# KiCad board fretboard_0.2.kicad_pcb
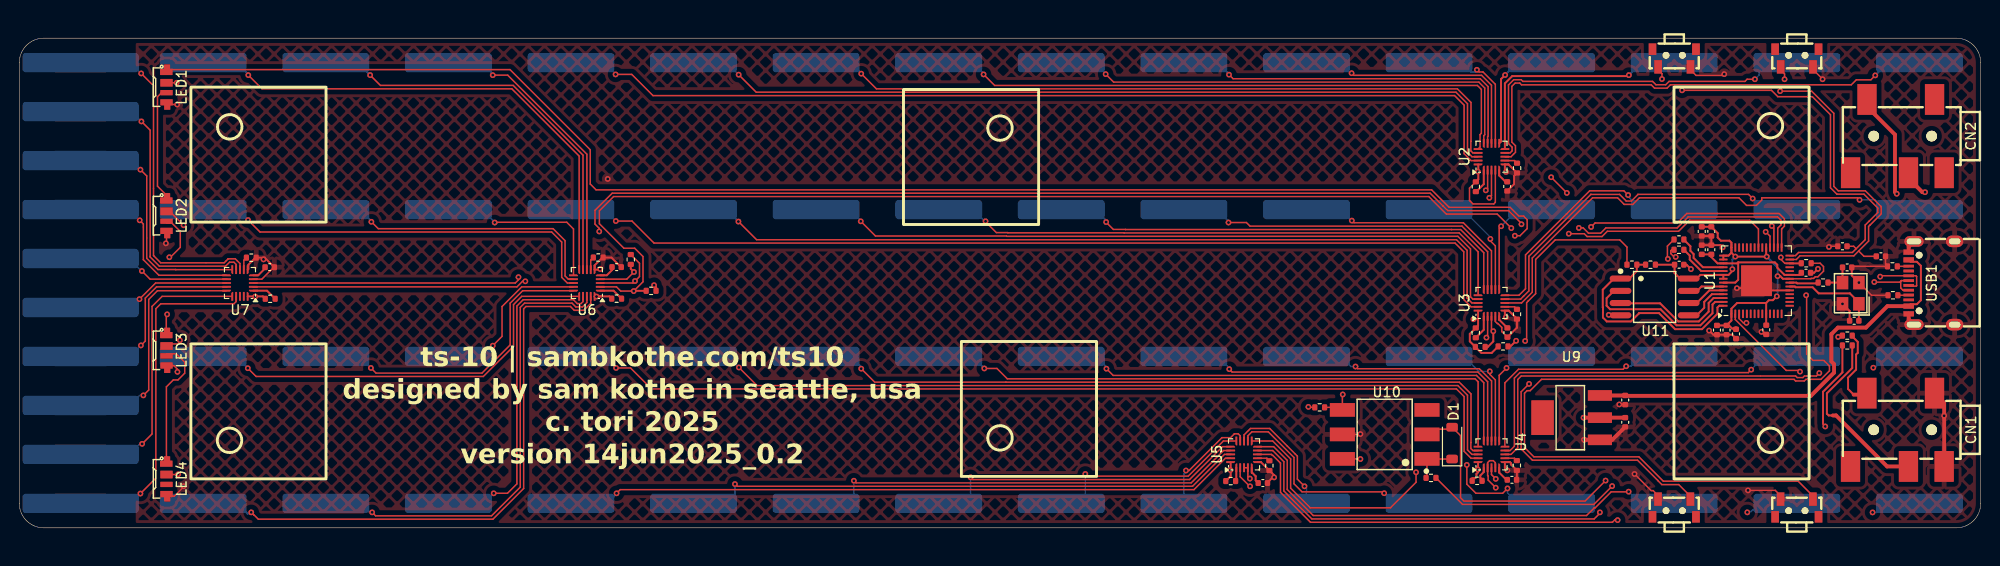
[diagram p0: board, top side]
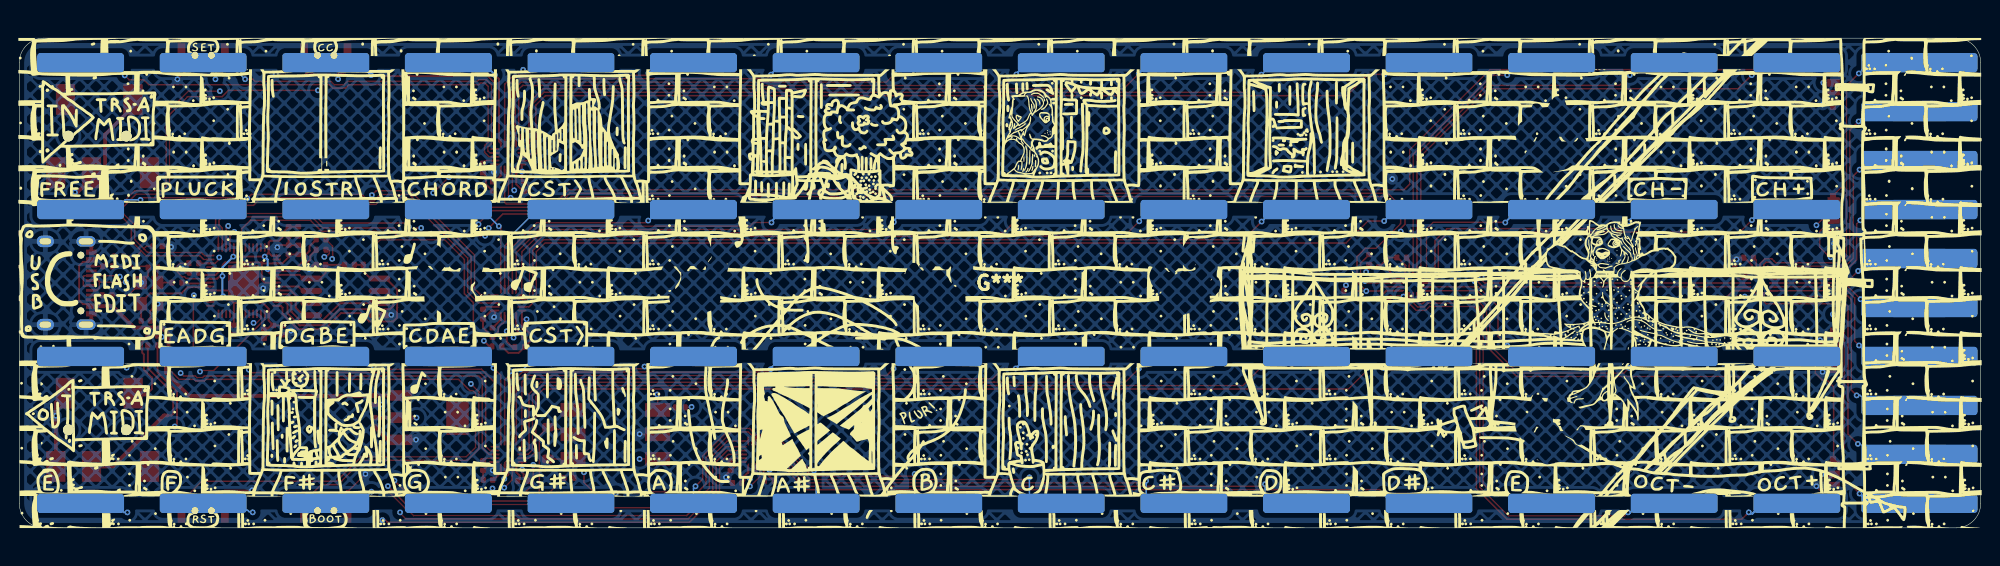
[diagram p1: board, bottom side, seen from below]

Outline 203.2 x 50.8 mm; copper layers: Top, In1.Cu (plane), In2.Cu, Bottom. Coordinates in mm from the lower left corner of the outline.
Outline path: 0,48.26 arc(0.74,50.06) 2.54,50.8 200.66,50.8 arc(202.46,50.06) 203.2,48.26 203.2,2.54 arc(202.46,0.74) 200.66,0 2.54,0 arc(0.74,0.74) 0,2.54 0,48.26
Stack: Top 0.035mm / dielectric 0.1mm FR4 er 4.5 / In1.Cu 0.035mm / dielectric 1.24mm FR4 er 4.5 / In2.Cu 0.035mm / dielectric 0.1mm FR4 er 4.5 / Bottom 0.035mm

## Placement (name value [footprint] x y rotation side)
C1  0.1u  [C_0402_1005Metric]  154.15 35.42 270 top
C2  0.1u  [C_0402_1005Metric]  154.17 20.26 270 top
C3  0.1u  [C_0402_1005Metric]  154.64 4.98 0 top
C4  0.1u  [C_0402_1005Metric]  128.83 4.65 0 top
C5  0.1u  [C_0402_1005Metric]  61.88 27.05 0 top
C6  0.1u  [C_0402_1005Metric]  25.94 27.04 0 top
C7  22p  [C_0402_1005Metric]  190.1 21.48 180 top
C8  22p  [C_0402_1005Metric]  189.36 27.02 180 top
C9  0.1u  [C_0402_1005Metric]  185.1 26.46 180 top
C10  0.1u  [C_0402_1005Metric]  175.29 28.85 270 top
C11  1u  [C_0402_1005Metric]  174.3 28.85 270 top
C12  0.1u  [C_0402_1005Metric]  175.88 20.52 90 top
C13  0.1u  [C_0402_1005Metric]  174.3 30.75 90 top
C14  0.1u  [C_0402_1005Metric]  175.29 30.75 90 top
C15  0.1u  [C_0402_1005Metric]  176.87 20.52 90 top
C16  0.1u  [C_0402_1005Metric]  177.85 20.12 90 top
C17  0.1u  [C_0402_1005Metric]  180.98 20.54 90 top
C18  0.1u  [C_0402_1005Metric]  171.96 27.3 180 top
C19  0.1u  [C_0402_1005Metric]  192.86 28.17 0 top
C20  0.1u  [C_0402_1005Metric]  188.87 29.21 180 top
C21  10u  [C_0402_1005Metric]  166.37 10.95 270 top
C22  10u  [C_0402_1005Metric]  166.37 13.26 270 top
CN1  MIDI OUT  [AUDIO-SMD_PJ-327A5JJ]  194.56 10.17 270 top
CN2  MIDI IN  [AUDIO-SMD_PJ-327A5JJ]  194.57 40.64 270 top
D1  1N4148W  [D_SOD-123]  148.44 8.79 90 top
G***  -  [LOGO]  101.6 25.4 0 bottom
G***#2  -  [LOGO]  101.6 25.4 0 bottom
LED1  SK6812SIDE-A_C5378721  [LED-SMD_4P-L4.0-W1.6-L]  15.24 45.72 270 top
LED2  SK6812SIDE-A_C5378721  [LED-SMD_4P-L4.0-W1.6-L]  15.24 32.38 270 top
LED3  SK6812SIDE-A_C5378721  [LED-SMD_4P-L4.0-W1.6-L]  15.24 18.41 270 top
LED4  SK6812SIDE-A_C5378721  [LED-SMD_4P-L4.0-W1.6-L]  15.24 5.08 270 top
P0  MountingHole_Pad  [onefret]  196.85 48.26 180 bottom
P1  MountingHole_Pad  [onefret]  184.15 48.26 180 bottom
P2  MountingHole_Pad  [onefret]  171.45 48.26 180 bottom
P3  MountingHole_Pad  [onefret]  158.75 48.26 180 bottom
P4  MountingHole_Pad  [onefret]  146.05 48.26 180 bottom
P5  MountingHole_Pad  [onefret]  133.35 48.26 180 bottom
P6  MountingHole_Pad  [onefret]  120.65 48.26 180 bottom
P7  MountingHole_Pad  [onefret]  107.95 48.26 180 bottom
P8  MountingHole_Pad  [onefret]  95.25 48.26 180 bottom
P9  MountingHole_Pad  [onefret]  82.55 48.26 180 bottom
P10  MountingHole_Pad  [onefret]  69.85 48.26 180 bottom
P11  MountingHole_Pad  [onefret]  57.15 48.26 180 bottom
P12  MountingHole_Pad  [onefret]  196.85 33.02 180 bottom
P13  MountingHole_Pad  [onefret]  184.15 33.02 180 bottom
P14  MountingHole_Pad  [onefret]  171.45 33.02 180 bottom
P15  MountingHole_Pad  [onefret]  158.75 33.02 180 bottom
P16  MountingHole_Pad  [onefret]  146.05 33.02 180 bottom
P17  MountingHole_Pad  [onefret]  133.35 33.02 180 bottom
P18  MountingHole_Pad  [onefret]  120.65 33.02 180 bottom
P19  MountingHole_Pad  [onefret]  107.95 33.02 180 bottom
P20  MountingHole_Pad  [onefret]  95.25 33.02 180 bottom
P21  MountingHole_Pad  [onefret]  82.55 33.02 180 bottom
P22  MountingHole_Pad  [onefret]  69.85 33.02 180 bottom
P23  MountingHole_Pad  [onefret]  57.15 33.02 180 bottom
P24  MountingHole_Pad  [onefret]  196.85 17.78 180 bottom
P25  MountingHole_Pad  [onefret]  184.15 17.78 180 bottom
P26  MountingHole_Pad  [onefret]  171.45 17.78 180 bottom
P27  MountingHole_Pad  [onefret]  158.75 17.78 180 bottom
P28  MountingHole_Pad  [onefret]  146.05 17.78 180 bottom
P29  MountingHole_Pad  [onefret]  133.35 17.78 180 bottom
P30  MountingHole_Pad  [onefret]  120.65 17.78 180 bottom
P31  MountingHole_Pad  [onefret]  107.95 17.78 180 bottom
P32  MountingHole_Pad  [onefret]  95.25 17.78 180 bottom
P33  MountingHole_Pad  [onefret]  82.55 17.78 180 bottom
P34  MountingHole_Pad  [onefret]  69.85 17.78 180 bottom
P35  MountingHole_Pad  [onefret]  57.15 17.78 180 bottom
P36  MountingHole_Pad  [onefret]  196.85 2.54 180 bottom
P37  MountingHole_Pad  [onefret]  184.15 2.54 180 bottom
P38  MountingHole_Pad  [onefret]  171.45 2.54 180 bottom
P39  MountingHole_Pad  [onefret]  158.75 2.54 180 bottom
P40  MountingHole_Pad  [onefret]  146.05 2.54 180 bottom
P41  MountingHole_Pad  [onefret]  133.35 2.54 180 bottom
P42  MountingHole_Pad  [onefret]  120.65 2.54 180 bottom
P43  MountingHole_Pad  [onefret]  107.95 2.54 180 bottom
P44  MountingHole_Pad  [onefret]  95.25 2.54 180 bottom
P45  MountingHole_Pad  [onefret]  82.55 2.54 180 bottom
P46  MountingHole_Pad  [onefret]  69.85 2.54 180 bottom
P47  MountingHole_Pad  [onefret]  57.15 2.54 180 bottom
P48  MountingHole_Pad  [onefret]  44.45 48.26 180 bottom
P49  MountingHole_Pad  [onefret]  31.75 48.26 180 bottom
P50  MountingHole_Pad  [onefret]  19.05 48.26 180 bottom
P51  MountingHole_Pad  [onefret]  44.45 33.02 180 bottom
P52  MountingHole_Pad  [onefret]  31.75 33.02 180 bottom
P53  MountingHole_Pad  [onefret]  19.05 33.02 180 bottom
P54  MountingHole_Pad  [onefret]  44.45 17.78 180 bottom
P55  MountingHole_Pad  [onefret]  31.75 17.78 180 bottom
P56  MountingHole_Pad  [onefret]  19.05 17.78 180 bottom
P57  MountingHole_Pad  [onefret]  44.45 2.54 180 bottom
P58  MountingHole_Pad  [onefret]  31.75 2.54 180 bottom
P59  MountingHole_Pad  [onefret]  19.05 2.54 180 bottom
P60  MountingHole_Pad  [onefret]  7.87 48.26 180 bottom
P61  MountingHole_Pad  [onefret]  7.87 43.18 180 bottom
P62  MountingHole_Pad  [onefret]  7.87 38.1 180 bottom
P63  MountingHole_Pad  [onefret]  7.87 33.02 180 bottom
P64  MountingHole_Pad  [onefret]  7.87 27.94 180 bottom
P65  MountingHole_Pad  [onefret]  7.87 22.86 180 bottom
P66  MountingHole_Pad  [onefret]  7.87 17.78 180 bottom
P67  MountingHole_Pad  [onefret]  7.87 12.7 180 bottom
P68  MountingHole_Pad  [onefret]  7.87 7.62 180 bottom
P69  MountingHole_Pad  [onefret]  7.87 2.54 180 bottom
P70  MountingHole_Pad  [onefret]  4.83 48.26 180 bottom
P71  MountingHole_Pad  [onefret]  4.83 43.18 180 bottom
P72  MountingHole_Pad  [onefret]  4.83 38.1 180 bottom
P73  MountingHole_Pad  [onefret]  4.83 33.02 180 bottom
P74  MountingHole_Pad  [onefret]  4.83 27.94 180 bottom
P75  MountingHole_Pad  [onefret]  4.83 22.86 180 bottom
P76  MountingHole_Pad  [onefret]  4.83 17.78 180 bottom
P77  MountingHole_Pad  [onefret]  4.83 12.7 180 bottom
P78  MountingHole_Pad  [onefret]  4.83 7.62 180 bottom
P79  MountingHole_Pad  [onefret]  4.83 2.54 180 bottom
R1  10K  [R_0402_1005Metric]  150.9 35.39 90 top
R2  75K  [R_0402_1005Metric]  155.17 37.32 270 top
R3  10K  [R_0402_1005Metric]  150.89 20.23 90 top
R4  75K  [R_0402_1005Metric]  155.16 22.16 270 top
R5  10K  [R_0402_1005Metric]  151.03 4.88 180 top
R6  75K  [R_0402_1005Metric]  155.15 6.47 270 top
R7  10K  [R_0402_1005Metric]  125.5 4.85 180 top
R8  75K  [R_0402_1005Metric]  129.51 6.45 270 top
R9  10K  [R_0402_1005Metric]  61.88 23.77 180 top
R10  75K  [R_0402_1005Metric]  59.98 28.04 0 top
R11  10K  [R_0402_1005Metric]  25.99 23.76 180 top
R12  75K  [R_0402_1005Metric]  24.04 28.03 0 top
R13  1K  [R_0402_1005Metric]  186.87 25.44 180 top
R14  27  [R_0402_1005Metric]  171.94 29.91 0 top
R15  27  [R_0402_1005Metric]  171.94 28.85 0 top
R16  10K  [R_0402_1005Metric]  168.99 27.3 0 top
R17  1K  [R_0402_1005Metric]  167.06 27.3 180 top
R18  10K  [R_0402_1005Metric]  185.12 27.45 0 top
R19  5.1K  [R_0402_1005Metric]  194.05 27.13 0 top
R20  5.1K  [R_0402_1005Metric]  194.11 24.13 0 top
R21  470  [R_0402_1005Metric]  134.72 12.5 180 top
R22  470  [R_0402_1005Metric]  146.25 5.18 0 top
R23  33  [R_0402_1005Metric]  189.38 18.92 0 top
R24  10  [R_0402_1005Metric]  189.38 19.94 0 top
R25  10K  [R_0402_1005Metric]  151.36 18.77 0 top
R26  10K  [R_0402_1005Metric]  153.72 18.82 0 top
R27  10K  [R_0402_1005Metric]  63.35 27.84 90 top
R28  10K  [R_0402_1005Metric]  65.46 24.59 180 top
SW1  SET1  [SW-SMD_L4.7-W3.5-P3.35-EH]  184.15 48.74 0 top
SW2  BOOT  [SW-SMD_L4.7-W3.5-P3.35-EH]  171.45 2.06 180 top
SW3  RST  [SW-SMD_L4.7-W3.5-P3.35-EH]  184.15 2.06 180 top
SW4  SET2  [SW-SMD_L4.7-W3.5-P3.35-EH]  171.45 48.74 0 top
U1  RP2040  [QFN-56-1EP_7x7mm_P0.4mm_EP3.2x3.2mm]  179.97 25.64 90 top
U2  MPR121QR2  [UQFN-20_3x3mm_P0.4mm]  152.52 38.5 90 top
U3  MPR121QR2  [UQFN-20_3x3mm_P0.4mm]  152.52 23.33 90 top
U4  MPR121QR2  [UQFN-20_3x3mm_P0.4mm]  152.52 7.62 90 top
U5  MPR121QR2  [UQFN-20_3x3mm_P0.4mm]  126.88 7.62 90 top
U6  MPR121QR2  [UQFN-20_3x3mm_P0.4mm]  58.8 25.4 180 top
U7  MPR121QR2  [UQFN-20_3x3mm_P0.4mm]  22.86 25.4 180 top
U9  AMS1117-3.3  [SOT-223-3_L6.5-W3.4-P2.30-LS7.0-BR]  160.78 11.43 0 top
U10  H11L1S(TA)  [SMD-6_L7.3-W6.5-P2.54-LS10.2-BL]  141.45 9.69 90 top
U11  W25Q128JVSIQTR  [SOIC-8_L5.3-W5.3-P1.27-LS8.0-BL]  169.42 23.95 270 top
USB1  TYPE-C 16PIN 2MD(073)  [USB-C-SMD_TYPE-C-6PIN-2MD-073]  198.12 25.4 90 top
X1  X322512MSB4SI  [CRYSTAL-SMD_4P-L3.2-W2.5-BL]  189.73 24.34 90 top

## Library data of the parts
C1-C22 = -: Description: Unpolarized capacitor; ki_fp_filters: C_*
CN1 CN2 = -: Datasheet: https://lcsc.com/product-detail/Audio-Video-Connectors_SHOU-HAN-PJ-327A-5JJ_C668605.html; LCSC Part: C668605
D1 = -: Datasheet: https://www.vishay.com/docs/85748/1n4148w.pdf; Description: 75V 0.15A Fast Switching Diode, SOD-123; Sim.Device: D; Sim.Pins: 1=K 2=A; ki_fp_filters: D*SOD?123*
LED1-LED4 = -: LCSC Part: C5378721
P0-P79 = -: Description: Mounting Hole with connection; ki_fp_filters: MountingHole*Pad*
R1-R28 = -: Description: Resistor; ki_fp_filters: R_*
SW1-SW4 = -: LCSC Part: C5373430
U1 = -: Datasheet: https://datasheets.raspberrypi.com/rp2040/rp2040-datasheet.pdf; Description: A microcontroller by Raspberry Pi; ki_fp_filters: QFN*1EP*7x7mm?P0.4mm*
U2-U7 = -: Datasheet: https://resurgentsemi.com/wp-content/uploads/2018/09/MPR121_rev5-Resurgent.pdf?d453f8&d453f8; Description: 12ch Touch Sensor controller, UQFN-20; ki_fp_filters: UQFN*3x3mm*P0.4mm*
U9 = -: Datasheet: https://lcsc.com/product-detail/Low-Dropout-Regulators-LDO_AMS_AMS1117-3-3_AMS1117-3-3_C6186.html; LCSC Part: C6186
U10 = -: Datasheet: https://lcsc.com/product-detail/SMD-Optocouplers_H11L1S-TA_C78589.html; LCSC Part: C78589
U11 = -: Datasheet: https://lcsc.com/product-detail/FLASH_W25Q128JVSIQTR_C97521.html; LCSC Part: C97521
USB1 = -: LCSC Part: C2765186
X1 = -: Datasheet: https://lcsc.com/product-detail/SMD-Crystals_YSX321SL-12MHZ-20PF-10PPM-40-85_C9002.html; LCSC Part: C9002

## Footprints (pads in the part's own frame, mm; a bottom-side part is the same pattern mirrored in y, then rotated)
AUDIO-SMD_PJ-327A5JJ
  round 1.1 hole 1.1: (0,3.55) (0,-2.45)
  rect 3.2x2 smd: 1(3.8,4.85) 2(-3.8,3.85) 3(3.8,1.15) 4(-3.8,-3.15) 5(3.8,-4.85)
C_0402_1005Metric
  rrect 0.56x0.62 smd: 1(-0.48,0) 2(0.48,0)
CRYSTAL-SMD_4P-L3.2-W2.5-BL
  rect 1.4x1.2 smd: 1(-1.1,-0.85) 2(1.1,-0.85) 3(1.1,0.85) 4(-1.1,0.85)
D_SOD-123
  rrect 0.9x1.2 smd: 1(-1.65,0) 2(1.65,0)
LED-SMD_4P-L4.0-W1.6-L
  custom 1.1x1.3 smd: 1(-1.8,-0.01) 4(1.8,0.01)
  custom 0.8x1.3 smd: 2(-0.45,0.01)
  custom 0.55x1.3 smd: 3(0.57,0.01)
onefret
  rrect 9x2 smd: 1(0,0)
QFN-56-1EP_7x7mm_P0.4mm_EP3.2x3.2mm
  rrect 1.29x1.29 smd: (-0.8,0.8) (-0.8,-0.8) (0.8,0.8) (0.8,-0.8)
  rrect 0.875x0.2 smd: 1(-3.438,2.6) 2(-3.438,2.2) 3(-3.438,1.8) 4(-3.438,1.4) 5(-3.438,1) 6(-3.438,0.6) 7(-3.438,0.2) 8(-3.438,-0.2) 9(-3.438,-0.6) 10(-3.438,-1) 11(-3.438,-1.4) 12(-3.438,-1.8) 13(-3.438,-2.2) 14(-3.438,-2.6) 29(3.438,-2.6) 30(3.438,-2.2) 31(3.438,-1.8) 32(3.438,-1.4) 33(3.438,-1) 34(3.438,-0.6) 35(3.438,-0.2) 36(3.438,0.2) 37(3.438,0.6) 38(3.438,1) 39(3.438,1.4) 40(3.438,1.8) 41(3.438,2.2) 42(3.438,2.6)
  rrect 0.2x0.875 smd: 15(-2.6,-3.438) 16(-2.2,-3.438) 17(-1.8,-3.438) 18(-1.4,-3.438) 19(-1,-3.438) 20(-0.6,-3.438) 21(-0.2,-3.438) 22(0.2,-3.438) 23(0.6,-3.438) 24(1,-3.438) 25(1.4,-3.438) 26(1.8,-3.438) 27(2.2,-3.438) 28(2.6,-3.438) 43(2.6,3.438) 44(2.2,3.438) 45(1.8,3.438) 46(1.4,3.438) 47(1,3.438) 48(0.6,3.438) 49(0.2,3.438) 50(-0.2,3.438) 51(-0.6,3.438) 52(-1,3.438) 53(-1.4,3.438) 54(-1.8,3.438) 55(-2.2,3.438) 56(-2.6,3.438)
  rect 3.2x3.2 smd: 57(0,0)
R_0402_1005Metric
  rrect 0.54x0.64 smd: 1(-0.51,0) 2(0.51,0)
SMD-6_L7.3-W6.5-P2.54-LS10.2-BL
  rect 1.42x2.6 smd: 1(-2.54,-4.38) 2(0,-4.38) 3(2.54,-4.38) 4(2.54,4.38) 5(0,4.38) 6(-2.54,4.38)
SOIC-8_L5.3-W5.3-P1.27-LS8.0-BL
  oval 0.63x2.25 smd: 1(-1.91,-3.53) 2(-0.63,-3.53) 3(0.63,-3.53) 4(1.9,-3.53) 5(1.9,3.53) 6(0.63,3.53) 7(-0.63,3.53) 8(-1.91,3.53)
SOT-223-3_L6.5-W3.4-P2.30-LS7.0-BR
  rect 2.5x1.1 smd: 1(2.97,-2.3) 2(2.97,0) 3(2.97,2.3)
  rect 2.34x3.6 smd: 4(-2.97,0)
SW-SMD_L4.7-W3.5-P3.35-EH
  round 0.7 hole 0.7: (-0.85,0.28) (0.85,0.28)
  rect 0.8x1.4 smd: 1(-1.67,-0.92) 2(1.68,-0.92)
  rect 0.8x1.2 smd: 3(-2.25,0.92) 4(2.25,0.92)
UQFN-20_3x3mm_P0.4mm
  custom 0.925x0.2 smd: 1(-1.387,0.8) 5(-1.387,-0.8) 11(1.387,-0.8) 15(1.387,0.8)
  rrect 0.925x0.2 smd: 2(-1.387,0.4) 3(-1.387,0) 4(-1.387,-0.4) 12(1.387,-0.4) 13(1.387,0) 14(1.387,0.4)
  custom 0.2x0.925 smd: 6(-0.8,-1.387) 10(0.8,-1.387) 16(0.8,1.387) 20(-0.8,1.387)
  rrect 0.2x0.925 smd: 7(-0.4,-1.387) 8(0,-1.387) 9(0.4,-1.387) 17(0.4,1.387) 18(0,1.387) 19(-0.4,1.387)
USB-C-SMD_TYPE-C-6PIN-2MD-073
  round 0.7 hole 0.7: (-2.89,1.3) (2.89,1.3)
  rect 0.55x1.1 smd: 1(-3.2,2.38) 2(-2.4,2.38) 11(2.4,2.38) 12(3.2,2.38)
  rect 0.3x1.1 smd: 3(-1.75,2.38) 4(-1.25,2.38) 5(-0.75,2.38) 6(-0.25,2.38) 7(0.25,2.38) 8(0.75,2.38) 9(1.25,2.38) 10(1.75,2.38)
  oval 1.1x2 hole 0.6x1.5: 13(-4.32,1.83) 14(4.32,1.83)
  oval 1.2x1.8 hole 0.6x1.2: 13(-4.32,-2.38) 14(4.32,-2.38)

## Nets
+3V3: C12.2 C13.2 C14.2 C15.2 C16.2 C17.2 C18.2 C21.1 LED1.2 LED2.2 LED3.2 LED4.2 R1.2 R3.2 R5.2 R7.2 R9.2 R11.2 R16.2 R18.2 R21.2 R23.1 R25.1 R26.1 R27.1 R28.1 U1.1 U1.10 U1.22 U1.33 U1.42 U1.43 U1.44 U1.48 U1.49 U2.4 U2.20 U3.20 U4.20 U5.20 U6.4 U6.20 U7.20 U9.2 U10.6 U11.8
GND: C1.2 C2.2 C3.2 C4.2 C5.2 C6.2 C7.2 C8.1 C9.1 C10.1 C11.1 C12.1 C13.1 C14.1 C15.1 C16.1 C17.1 C18.1 C19.2 C20.2 C21.2 C22.2 CN1.1 CN1.2 LED1.4 LED2.4 LED3.4 LED4.4 R2.2 R4.2 R6.2 R8.2 R10.2 R12.2 R19.1 R20.1 SW1.2 SW2.2 SW3.2 SW4.2 U1.19 U1.57 U2.6 U3.4 U3.6 U4.6 U5.6 U6.6 U7.4 U7.6 U9.1 U10.5 U11.4 USB1.1 USB1.12 USB1.13 USB1.14 X1.2 X1.4
VBUS: C22.1 U9.3 USB1.2 USB1.11
NEO: LED1.1 U1.35
QSPI_SCLK: U1.52 U11.6
QSPI_SD0: U1.53 U11.5
QSPI_SD1: U1.55 U11.2
QSPI_SD2: U1.54 U11.3
QSPI_SD3: U1.51 U11.7
QSPI_SS: R16.1 R17.1 U1.56 U11.1
RST: R18.1 SW3.1 U1.26
RX: R21.1 U1.3 U10.4
SCL0: R26.2 U1.32 U2.2 U3.2 U4.2 U4.4 U5.2
SCL1: R28.2 U1.30 U6.2 U7.2
SDA0: R25.2 U1.31 U2.3 U3.3 U4.3 U5.3 U5.4
SDA1: R27.2 U1.29 U6.3 U7.3
SET1: C19.1 SW1.1 U1.27
SET2: C20.1 SW4.1 U1.28
TX: R24.1 U1.2
USB_DM: R14.1 USB1.5 USB1.7
USB_DP: R15.1 USB1.6 USB1.8
XIN: C7.1 U1.20 X1.1
XOUT: R13.2 U1.21
Net-(CN1-Pad3): CN1.3 R23.2
Net-(CN1-Pad4): CN1.4 R24.2
Net-(CN2-Pad3): CN2.3 R22.2
Net-(D1-A): CN2.4 D1.2 U10.2
Net-(D1-K): D1.1 R22.1 U10.1
Net-(LED1-DOUT): LED1.3 LED2.1
Net-(LED2-DOUT): LED2.3 LED3.1
Net-(LED3-DOUT): LED3.3 LED4.1
Net-(R17-Pad2): R17.2 SW2.1
Net-(U1-USB_DM): R14.2 U1.46
Net-(U1-USB_DP): R15.2 U1.47
Net-(U1-VREG_VOUT): C9.2 C10.2 C11.2 U1.23 U1.45 U1.50
Net-(U2-ELE0): P0.1 U2.8
Net-(U2-ELE1): P1.1 U2.9
Net-(U2-ELE2): P2.1 U2.10
Net-(U2-ELE3): P3.1 U2.11
Net-(U2-LED0/ELE4): P4.1 U2.12
Net-(U2-LED1/ELE5): P5.1 U2.13
Net-(U2-LED2/ELE6): P6.1 U2.14
Net-(U2-LED3/ELE7): P7.1 U2.15
Net-(U2-LED4/ELE8): P8.1 U2.16
Net-(U2-LED5/ELE9): P9.1 U2.17
Net-(U2-LED6/ELE10): P10.1 U2.18
Net-(U2-LED7/ELE11): P11.1 U2.19
Net-(U2-REXT): R2.1 U2.7
Net-(U2-VREG): C1.1 U2.5
Net-(U2-~{IRQ}): R1.1 U2.1
Net-(U3-ELE0): P12.1 U3.8
Net-(U3-ELE1): P13.1 U3.9
Net-(U3-ELE2): P14.1 U3.10
Net-(U3-ELE3): P15.1 U3.11
Net-(U3-LED0/ELE4): P16.1 U3.12
Net-(U3-LED1/ELE5): P17.1 U3.13
Net-(U3-LED2/ELE6): P18.1 U3.14
Net-(U3-LED3/ELE7): P19.1 U3.15
Net-(U3-LED4/ELE8): P20.1 U3.16
Net-(U3-LED5/ELE9): P21.1 U3.17
Net-(U3-LED6/ELE10): P22.1 U3.18
Net-(U3-LED7/ELE11): P23.1 U3.19
Net-(U3-REXT): R4.1 U3.7
Net-(U3-VREG): C2.1 U3.5
Net-(U3-~{IRQ}): R3.1 U3.1
Net-(U4-ELE0): P24.1 U4.8
Net-(U4-ELE1): P25.1 U4.9
Net-(U4-ELE2): P26.1 U4.10
Net-(U4-ELE3): P27.1 U4.11
Net-(U4-LED0/ELE4): P28.1 U4.12
Net-(U4-LED1/ELE5): P29.1 U4.13
Net-(U4-LED2/ELE6): P30.1 U4.14
Net-(U4-LED3/ELE7): P31.1 U4.15
Net-(U4-LED4/ELE8): P32.1 U4.16
Net-(U4-LED5/ELE9): P33.1 U4.17
Net-(U4-LED6/ELE10): P34.1 U4.18
Net-(U4-LED7/ELE11): P35.1 U4.19
Net-(U4-REXT): R6.1 U4.7
Net-(U4-VREG): C3.1 U4.5
Net-(U4-~{IRQ}): R5.1 U4.1
Net-(U5-ELE0): P36.1 U5.8
Net-(U5-ELE1): P37.1 U5.9
Net-(U5-ELE2): P38.1 U5.10
Net-(U5-ELE3): P39.1 U5.11
Net-(U5-LED0/ELE4): P40.1 U5.12
Net-(U5-LED1/ELE5): P41.1 U5.13
Net-(U5-LED2/ELE6): P42.1 U5.14
Net-(U5-LED3/ELE7): P43.1 U5.15
Net-(U5-LED4/ELE8): P44.1 U5.16
Net-(U5-LED5/ELE9): P45.1 U5.17
Net-(U5-LED6/ELE10): P46.1 U5.18
Net-(U5-LED7/ELE11): P47.1 U5.19
Net-(U5-REXT): R8.1 U5.7
Net-(U5-VREG): C4.1 U5.5
Net-(U5-~{IRQ}): R7.1 U5.1
Net-(U6-ELE0): P48.1 U6.8
Net-(U6-ELE1): P49.1 U6.9
Net-(U6-ELE2): P50.1 U6.10
Net-(U6-ELE3): P51.1 U6.11
Net-(U6-LED0/ELE4): P52.1 U6.12
Net-(U6-LED1/ELE5): P53.1 U6.13
Net-(U6-LED2/ELE6): P54.1 U6.14
Net-(U6-LED3/ELE7): P55.1 U6.15
Net-(U6-LED4/ELE8): P56.1 U6.16
Net-(U6-LED5/ELE9): P57.1 U6.17
Net-(U6-LED6/ELE10): P58.1 U6.18
Net-(U6-LED7/ELE11): P59.1 U6.19
Net-(U6-REXT): R10.1 U6.7
Net-(U6-VREG): C5.1 U6.5
Net-(U6-~{IRQ}): R9.1 U6.1
Net-(U7-ELE0): P60.1 P70.1 U7.8
Net-(U7-ELE1): P61.1 P71.1 U7.9
Net-(U7-ELE2): P62.1 P72.1 U7.10
Net-(U7-ELE3): P63.1 P73.1 U7.11
Net-(U7-LED0/ELE4): P64.1 P74.1 U7.12
Net-(U7-LED1/ELE5): P65.1 P75.1 U7.13
Net-(U7-LED2/ELE6): P66.1 P76.1 U7.14
Net-(U7-LED3/ELE7): P67.1 P77.1 U7.15
Net-(U7-LED4/ELE8): P68.1 P78.1 U7.16
Net-(U7-LED5/ELE9): P69.1 P79.1 U7.17
Net-(U7-REXT): R12.1 U7.7
Net-(U7-VREG): C6.1 U7.5
Net-(U7-~{IRQ}): R11.1 U7.1
Net-(USB1-CC1): R20.2 USB1.4
Net-(USB1-CC2): R19.2 USB1.10
Net-(X1-OSC2): C8.2 R13.1 X1.3

Pads without a net: CN1 5; CN2 1 2 5; LED4 3; SW1 3 4; SW2 3 4; SW3 3 4; SW4 3 4; U1 4 5 6 7 8 9 11 12 13 14 15 16 17 18 24 25 34 36 37 38 39 40 41; U7 18 19; U9 4; U10 3; USB1 3 9

## Via types
v1: diameter 0.6, hole 0.3, Top to Bottom, 171 vias

## Routing (per net, layer and track width the routed paths; a pad name or vN(x,y) marks a point on that pad's centre or on a via; arc(x,y) is an arc through that point)
+3V3: length 101.6
  Top w0.15: v1(133.55,12.55) 133.6,12.5 R21.2 ; R18.2 186.57,27.45 186.92,27.1 186.92,26.63 186.33,26.04 186.06,26.04 185.89,25.88 185.63,25.88 185.59,25.84 U1.22 ; v1(138.94,7.14) 138.92,7.15 U10.6 ; LED1.2 16.3,46.17 v1(16.31,46.18) ; v1(16.46,5.56) 16.43,5.53 15.26,5.53 ; v1(17.02,31.39) 15.79,32.62 15.25,32.62 ; v1(63.68,26.54) 62.93,25.8 U6.4 ; 186.87,11.66 186.87,10.75 v1(187.1,10.52) ; v1(16.64,19.46) 16.64,19.28 16.44,19.08 15.25,19.08 ; U2.4 152.92,33.77 152.75,33.6 150.6,33.6 150.24,33.96 150.24,35.24 R1.2
  Top w0.2: v1(59.8,23.99) 59.82,24.01 60.31,24.01 ; R7.2 125.49,5.36 125.49,5.99 ; 180.97,23.33 181.26,23.62 181.67,23.62 v1(182.07,24.02) ; 180.97,23.33 U1.10 180.97,21.03 C17.2 180.98,21.05 ; 180.97,23.33 177.97,23.33 177.37,22.73 U1.1 177.37,21.51 176.87,21 C15.2 ; U7.20 24.44,24.01 ; 24.44,24.01 25.23,24.01 R11.2 ; 24.44,24.01 v1(24.44,23.99) ; U2.20 151.15,37.68 151.15,36.96 ; R27.1 63.35,26.87 v1(63.68,26.54) ; U3.20 151.13,21.62 ; 151.13,21.62 151.13,20.98 R3.2 150.27,20.12 150.27,19.35 R25.1 151.47,18.15 152.54,18.15 R26.1 ; 151.13,21.62 151.1,21.64 v1(150.65,21.64) ; 150.52,5.16 150.85,5.16 150.96,5.27 150.96,5.59 151.13,5.77 151.13,5.94 ; R9.2 61.14,24.01 60.31,24.01 ; v1(177.47,26.84) 177.47,26.64 177.07,26.24 U1.48 ; 60.31,24.01 59.6,24.01 ; v1(151.11,6.05) 151.13,6.02 151.13,5.94 ; 177.37,28.54 v1(177.78,28.14) v1(181.03,28.14) 180.97,28.2 U1.33 ; 177.37,28.54 177.07,28.24 U1.43 U1.44 ; 177.37,28.54 U1.42 ; v1(65.76,25.17) 65.97,24.97 R28.1 ; U1.49 U1.48 ; U1.48 174.16,26.24 173.75,25.84 172.08,25.84 171.48,26.43 C18.2 R16.2 ; U1.42 177.37,29.59 177.17,29.79 176.28,29.79 175.95,30.12 175.95,30.57 C14.2 C13.2 ; U1.42 177.35,29.1 ; v1(182.16,26.11) 182.44,26.11 182.71,25.84 U1.22 ; C15.2 176.86,21 C12.2 ; C15.2 177.12,21 177.44,20.68 177.7,20.68 177.85,20.83 ; 151.15,36.96 151.15,36.15 R1.2 ; 151.15,36.96 v1(151.11,36.96) ; 125.49,5.99 v1(125.47,5.99) ; 125.49,5.99 U5.20 ; 151.13,5.94 U4.20 ; 186.87,10.87 186.87,14.12 188.87,16.13 R23.1
  Top w0.4: C21.1 U9.2 v1(162.05,11.43)
  Bottom w0.2: v1(181.03,28.14) 182.16,27.01 v1(182.16,26.11) 182.16,24.1 v1(182.07,24.02) ; v1(177.47,26.84) 177.47,27.83 v1(177.78,28.14)
GND: length 98.1
  Top w0.15: v1(138.94,9.73) 138.9,9.69 U10.5 ; 15.25,30.37 15.25,29.58 v1(15.19,29.51) ; v1(16.38,16.18) 16.38,16.46 16.02,16.83 15.25,16.83 ; v1(186.82,46.54) 186.82,46.56 185.83,47.55 185.83,47.97 ; C19.2 193.34,27.33 R19.1 189.95,27.13 C8.1 ; v1(176.63,47.07) 176.5,47.07 176.38,46.94 173.71,46.94 173.13,47.52 173.13,47.97 ; LED1.4 16.35,43.92 v1(16.36,43.92) ; 165.71,12.85 v1(165.76,12.8) 165.78,12.78 C22.2 ; U3.4 152.92,21.4 153.12,21.19 153.18,21.19 153.58,20.79 153.58,20.36 C2.2 ; 182.47,3.49 182.31,3.49 181.91,3.89 v1(179.1,3.89) ; v1(187.48,29.14) 187.54,29.21 C20.2 ; C6.2 26.36,27.04 25.13,25.8 U7.4 ; 15.26,3.28 16.06,3.28 17.02,4.24 v1(17.02,4.32) ; 169.77,3.1 169.77,3.36 169.27,3.86 169.06,3.86 v1(167.34,5.59) ; R20.1 191.89,24.13 X1.2
  Top w0.2: C2.2 155.16,20.77 R4.2 155.16,21.68 154.31,22.53 U3.6 153.9,21.97 v1(154.02,21.86) ; C13.1 C14.1 C10.1 ; v1(176.46,29.1) 176.23,29.33 C10.1 ; C10.1 C11.1 ; v1(25.3,27.85) 25.3,27.89 25.43,28.03 ; C4.2 129.31,4.7 129.84,5.23 v1(130,5.23) 130,5.46 129.52,5.94 R8.2 128.63,6.82 U5.6 ; C1.2 154.86,35.65 154.86,36.51 R2.2 154.28,37.7 U2.6 153.9,37.03 v1(154.02,36.92) ; 180.75,20.06 v1(180.48,20.34) ; v1(164.66,22.09) 164.73,22.03 165.87,22.03 ; v1(154.16,5.96) 153.9,6.21 U4.6 154.43,6.82 154.53,6.72 154.53,6.58 R6.2 155.15,5.02 ; U7.6 23.73,26.86 23.73,27.3 24.47,28.03 R12.2 25.43,28.03 ; 25.43,28.03 C6.2 ; C9.1 185.94,26.46 v1(186.34,26.87) ; v1(190.58,25.44) X1.2 189.84,26.18 C8.1 ; C5.2 62.34,27.05 61.35,28.04 R10.2 60.41,28.04 59.6,27.23 59.6,26.79 60.12,26.79 v1(60.18,26.85) ; C18.1 172.73,27.3 v1(173.18,26.84) ; C16.1 177.45,20.04 C15.1 176.86,20.04 C12.1 175.49,20.04 v1(175.06,20.47) ; U1.19 180.97,24.64 U1.57 179.2,24.86 v1(177.94,24.86) ; v1(188.88,23.23) X1.4 189.62,22.5 C7.2